# Allegro board 8880F5-0825_4.brd (continued)
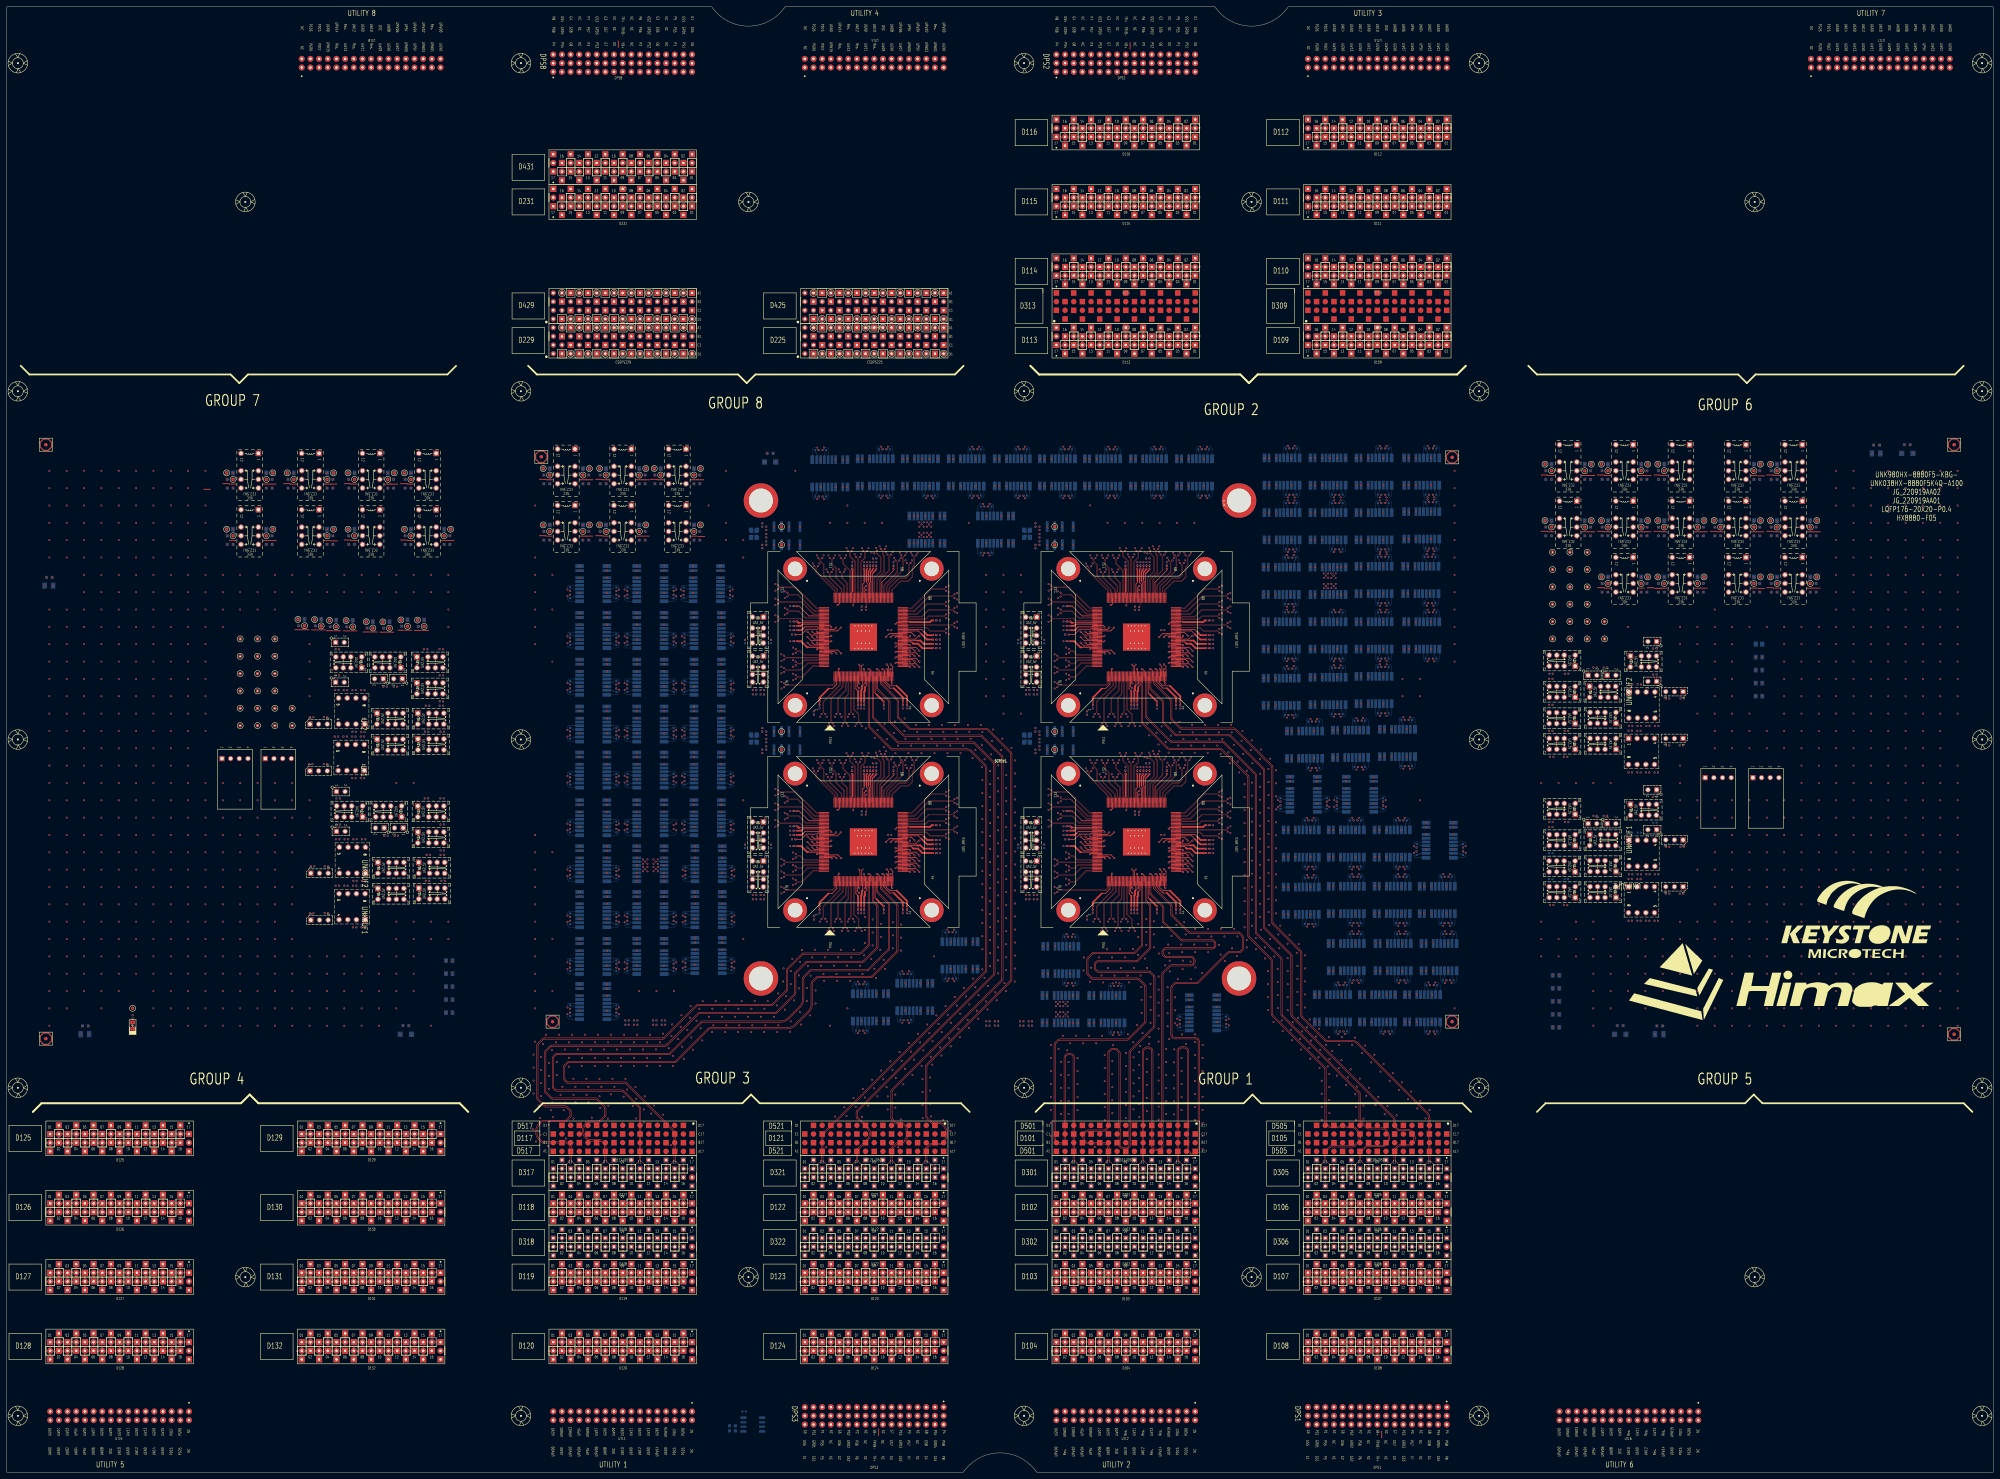
[diagram p0: board, top side]
## Placement (name value [footprint] x y rotation side) (continued)
NOREF#620  -  []  215.96 177.06 0 top
NOREF#621  -  []  253.53 140.14 0 top
NOREF#622  -  []  331.86 192.43 90 top
NOREF#623  -  []  209.49 177.76 90 top
NOREF#624  -  []  155.57 289.11 90 top
NOREF#625  -  []  388.43 180.15 0 top
NOREF#626  -  []  165.8 171.96 90 top
NOREF#627  -  []  410.52 289.12 0 top
NOREF#628  -  []  192.47 257.6 90 top
NOREF#629  -  []  185.2 273.5 90 top
NOREF#630  -  []  352.25 242.32 90 top
NOREF#631  -  []  259.33 205.56 90 top
NOREF#632  -  []  313.56 131.64 90 top
NOREF#633  -  []  511.59 276.41 90 top
NOREF#634  -  []  321.82 167.13 90 top
NOREF#635  -  []  353.35 288.31 90 top
NOREF#636  -  []  317.98 223.82 90 top
NOREF#637  -  []  201.49 147.53 90 top
NOREF#638  -  []  272.25 242.32 90 top
NOREF#639  -  []  281.47 296.86 0 top
NOREF#640  -  []  377.32 171.39 0 top
NOREF#641  -  []  388.43 180.15 0 top
NOREF#642  -  []  396.55 225.11 0 top
NOREF#643  -  []  415.61 179.97 0 top
NOREF#644  -  []  256.77 163.82 90 top
NOREF#645  -  []  351.04 241.69 0 top
NOREF#646  -  []  303.56 233.86 90 top
NOREF#647  -  []  192.47 246.08 90 top
NOREF#648  -  []  304.61 131.64 0 top
NOREF#649  -  []  118.74 210.19 90 top
NOREF#650  -  []  201.23 247.18 90 top
NOREF#651  -  []  273.24 272.1 0 top
NOREF#652  -  []  230.43 188.88 90 top
NOREF#653  -  []  175.8 256.4 90 top
NOREF#654  -  []  352.25 249.18 90 top
NOREF#655  -  []  327.15 286.96 90 top
NOREF#656  -  []  238.3 163.52 90 top
NOREF#657  -  []  465.45 292.92 90 top
NOREF#658  -  []  351.04 184.23 0 top
NOREF#659  -  []  336.77 225.04 90 top
NOREF#660  -  []  351.04 181.69 0 top
NOREF#661  -  []  271.34 242.64 0 top
NOREF#662  -  []  354.08 286.96 90 top
NOREF#663  -  []  408.02 239.21 0 top
NOREF#664  -  []  201.23 219.75 90 top
NOREF#665  -  []  251.94 265.86 90 top
NOREF#666  -  []  264.29 143.19 0 top
NOREF#667  -  []  352.55 185.18 0 top
NOREF#668  -  []  334.29 204.35 90 top
NOREF#669  -  []  319.33 183.63 90 top
NOREF#670  -  []  209.23 216.45 90 top
NOREF#671  -  []  329.6 224.74 90 top
NOREF#672  -  []  127.95 222.33 0 top
NOREF#673  -  []  346.27 135.17 90 top
NOREF#674  -  []  237.98 163.82 90 top
NOREF#675  -  []  460.93 182.17 90 top
NOREF#676  -  []  199.33 185.42 90 top
NOREF#677  -  []  237.98 225.04 90 top
NOREF#678  -  []  471.21 168.33 90 top
NOREF#679  -  []  317.05 288.86 0 top
NOREF#680  -  []  117.01 234.24 90 top
NOREF#681  -  []  201.23 241.43 0 top
NOREF#682  -  []  394 217.36 0 top
NOREF#683  -  []  118.45 226.62 90 top
NOREF#684  -  []  459.24 219.3 90 top
NOREF#685  -  []  394.05 287.22 0 top
NOREF#686  -  []  230.43 254.01 0 top
NOREF#687  -  []  373.32 164.66 90 top
NOREF#688  -  []  229.21 187.61 0 top
NOREF#689  -  []  122.44 171.1 0 top
NOREF#690  -  []  351.34 249.5 0 top
NOREF#691  -  []  250.73 265.55 0 top
NOREF#692  -  []  122.19 247.3 90 top
NOREF#693  -  []  404.15 289.12 0 top
NOREF#694  -  []  306.85 211.67 0 top
NOREF#695  -  []  328.96 224.74 0 top
NOREF#696  -  []  471.21 211.76 0 top
NOREF#697  -  []  124.35 195.15 0 top
NOREF#698  -  []  247.25 205.56 0 top
NOREF#699  -  []  201.49 159.65 90 top
NOREF#700  -  []  393.19 239.21 90 top
NOREF#701  -  []  251.62 265.56 0 top
NOREF#702  -  []  378.58 273.11 90 top
NOREF#703  -  []  343.63 163.82 90 top
NOREF#704  -  []  201.49 151.93 90 top
NOREF#705  -  []  262.68 163.52 90 top
NOREF#706  -  []  309.51 246.66 0 top
NOREF#707  -  []  209.49 155.13 90 top
NOREF#708  -  []  175.8 228.97 90 top
NOREF#709  -  []  381.74 232.85 0 top
NOREF#710  -  []  201.49 173.11 90 top
NOREF#711  -  []  226.44 294.64 90 top
NOREF#712  -  []  403.99 171.64 0 top
NOREF#713  -  []  401.52 210.88 90 top
NOREF#714  -  []  247.25 264.35 90 top
NOREF#715  -  []  448.94 290.38 90 top
NOREF#716  -  []  229.51 247.93 0 top
NOREF#717  -  []  420.62 271.47 90 top
NOREF#718  -  []  333.4 265.56 0 top
NOREF#719  -  []  167.7 255.15 0 top
NOREF#720  -  []  246.67 288.16 90 top
NOREF#721  -  []  352.55 245.18 0 top
NOREF#722  -  []  175.8 133.97 90 top
NOREF#723  -  []  165.8 144.78 0 top
NOREF#724  -  []  167.7 151.68 90 top
NOREF#725  -  []  332.61 288.86 0 top
NOREF#726  -  []  412.37 265.37 0 top
NOREF#727  -  []  182.57 171.96 0 top
NOREF#728  -  []  241.82 167.13 90 top
NOREF#729  -  []  218.13 274.06 90 top
NOREF#730  -  []  387.39 297.12 0 top
NOREF#731  -  []  167.7 138.47 90 top
NOREF#732  -  []  184.47 247.18 90 top
NOREF#733  -  []  263.83 171.63 90 top
NOREF#734  -  []  406.94 131.34 90 top
NOREF#735  -  []  182.57 226.57 90 top
NOREF#736  -  []  330.51 288.86 0 top
NOREF#737  -  []  265.81 288.86 0 top
NOREF#738  -  []  418.63 131.94 90 top
NOREF#739  -  []  309.21 247.61 0 top
NOREF#740  -  []  310.43 247.61 0 top
NOREF#741  -  []  303.15 211.32 90 top
NOREF#742  -  []  411.09 146.88 90 top
NOREF#743  -  []  388.43 146.88 0 top
NOREF#744  -  []  463.11 230.2 0 top
NOREF#745  -  []  401.89 180.15 0 top
NOREF#746  -  []  184.47 242.78 90 top
NOREF#747  -  []  250.23 132.14 0 top
NOREF#748  -  []  230.73 249.2 0 top
NOREF#749  -  []  392.47 240.56 90 top
NOREF#750  -  []  461.96 174.55 0 top
NOREF#751  -  []  250.49 164.74 90 top
NOREF#752  -  []  334.29 205.56 90 top
NOREF#753  -  []  451.68 186.77 0 top
NOREF#754  -  []  66.26 273.87 90 top
NOREF#755  -  []  392.47 256.56 90 top
NOREF#756  -  []  167.7 247.18 90 top
NOREF#757  -  []  385.19 241.11 0 top
NOREF#758  -  []  383.09 273.11 0 top
NOREF#759  -  []  272.55 241.37 0 top
NOREF#760  -  []  167.7 201.89 90 top
NOREF#761  -  []  250.73 265.56 90 top
NOREF#762  -  []  210.86 242.18 90 top
NOREF#763  -  []  272.55 185.18 0 top
NOREF#764  -  []  383.09 273.11 0 top
NOREF#765  -  []  259.65 204.65 90 top
NOREF#766  -  []  199.59 189.04 90 top
NOREF#767  -  []  330.73 264.35 90 top
NOREF#768  -  []  167.7 173.11 90 top
NOREF#769  -  []  336.45 164.72 0 top
NOREF#770  -  []  312.21 131.64 0 top
NOREF#771  -  []  111.54 287.84 90 top
NOREF#772  -  []  411.26 209.66 90 top
NOREF#773  -  []  373.93 297.12 0 top
NOREF#774  -  []  343.31 164.72 0 top
NOREF#775  -  []  184.47 147.28 90 top
NOREF#776  -  []  328.01 286.96 0 top
NOREF#777  -  []  222.11 240.71 0 top
NOREF#778  -  []  451.64 179.06 0 top
NOREF#779  -  []  256.45 224.72 0 top
NOREF#780  -  []  252.83 264.65 90 top
NOREF#781  -  []  399.67 139.89 0 top
NOREF#782  -  []  230.43 188.88 90 top
NOREF#783  -  []  390.69 257.11 0 top
NOREF#784  -  []  423.61 182.42 90 top
NOREF#785  -  []  224.65 211.67 0 top
NOREF#786  -  []  317.05 288.86 0 top
NOREF#787  -  []  199.33 212.85 0 top
NOREF#788  -  []  272.25 249.18 90 top
NOREF#789  -  []  327.25 204.35 90 top
NOREF#790  -  []  172.08 275.14 90 top
NOREF#791  -  []  219.81 273.69 90 top
NOREF#792  -  []  398.65 225.11 0 top
NOREF#793  -  []  373.68 265.11 0 top
NOREF#794  -  []  312.46 131.69 90 top
NOREF#795  -  []  248.33 187.93 0 top
NOREF#796  -  []  346.27 135.17 90 top
NOREF#797  -  []  419.47 273.37 90 top
NOREF#798  -  []  343.98 288.86 0 top
NOREF#799  -  []  260.83 174.63 90 top
NOREF#800  -  []  414.57 265.37 0 top
NOREF#801  -  []  376.98 224.6 0 top
NOREF#802  -  []  384.59 162.94 90 top
NOREF#803  -  []  274.37 147.93 90 top
NOREF#804  -  []  387.39 265.11 0 top
NOREF#805  -  []  240.83 194.63 0 top
NOREF#806  -  []  217.41 273.24 0 top
NOREF#807  -  []  270.04 280.1 0 top
NOREF#808  -  []  221.56 190.49 0 top
NOREF#809  -  []  259.65 265.86 90 top
NOREF#810  -  []  331.22 193.63 0 top
NOREF#811  -  []  417.2 171.64 0 top
NOREF#812  -  []  326.43 288.41 90 top
NOREF#813  -  []  334.29 265.56 0 top
NOREF#814  -  []  381.2 274.38 90 top
NOREF#815  -  []  229.51 249.2 0 top
NOREF#816  -  []  257.9 186.35 90 top
NOREF#817  -  []  201.66 213.45 90 top
NOREF#818  -  []  239.33 236.03 90 top
NOREF#819  -  []  373.68 249.11 0 top
NOREF#820  -  []  192.57 187.82 90 top
NOREF#821  -  []  223.56 173.86 90 top
NOREF#822  -  []  218.13 214.06 0 top
NOREF#823  -  []  252.43 132.14 0 top
NOREF#824  -  []  425.23 180.72 90 top
NOREF#825  -  []  479.44 239.09 0 top
NOREF#826  -  []  456.08 186.77 0 top
NOREF#827  -  []  317.98 165.04 90 top
NOREF#828  -  []  327.7 131.19 90 top
NOREF#829  -  []  175.7 205.19 90 top
NOREF#830  -  []  393.74 131.34 90 top
NOREF#831  -  []  175.7 141.67 90 top
NOREF#832  -  []  300.36 237.06 0 top
NOREF#833  -  []  478.57 257.36 90 top
NOREF#834  -  []  301.34 286.96 0 top
NOREF#835  -  []  127.81 175.44 90 top
NOREF#836  -  []  226.83 269.63 90 top
NOREF#837  -  []  175.7 148.38 90 top
NOREF#838  -  []  230.43 248.88 90 top
NOREF#839  -  []  352.25 244.86 90 top
NOREF#840  -  []  275.12 271.65 90 top
NOREF#841  -  []  337.9 246.99 0 top
NOREF#842  -  []  450.03 191.31 0 top
NOREF#843  -  []  379.52 171.39 0 top
NOREF#844  -  []  165.8 240.28 0 top
NOREF#845  -  []  199.59 171.96 0 top
NOREF#846  -  []  379.73 271.21 90 top
NOREF#847  -  []  461.96 217.98 0 top
NOREF#848  -  []  461.96 210.36 0 top
NOREF#849  -  []  310.41 183.09 90 top
NOREF#850  -  []  254.61 264.65 90 top
NOREF#851  -  []  100.98 195.15 0 top
NOREF#852  -  []  228.36 202.16 45 top
NOREF#853  -  []  331.06 223.82 90 top
NOREF#854  -  []  165.8 212.85 0 top
NOREF#855  -  []  167.7 206.29 90 top
NOREF#856  -  []  210.86 187.32 90 top
NOREF#857  -  []  398.53 161.74 90 top
NOREF#858  -  []  405.93 272.56 90 top
NOREF#859  -  []  460.93 191.31 90 top
NOREF#860  -  []  165.8 171.96 0 top
NOREF#861  -  []  265.39 135.19 0 top
NOREF#862  -  []  462.06 274.77 90 top
NOREF#863  -  []  472.86 166.93 90 top
NOREF#864  -  []  383.01 139.89 0 top
NOREF#865  -  []  75.98 273.87 90 top
NOREF#866  -  []  107.02 171.57 0 top
NOREF#867  -  []  259.65 264.65 90 top
NOREF#868  -  []  396.28 180.2 90 top
NOREF#869  -  []  451.68 171.53 0 top
NOREF#870  -  []  339.33 265.56 0 top
NOREF#871  -  []  259.97 264.35 90 top
NOREF#872  -  []  343.31 224.74 0 top
NOREF#873  -  []  334.61 205.86 90 top
NOREF#874  -  []  401.89 163.64 0 top
NOREF#875  -  []  417.87 257.37 0 top
NOREF#876  -  []  283.25 147.43 90 top
NOREF#877  -  []  250.74 164.74 0 top
NOREF#878  -  []  303.84 288.86 0 top
NOREF#879  -  []  247.25 265.55 0 top
NOREF#880  -  []  192.47 230.17 90 top
NOREF#881  -  []  314.92 144.15 90 top
NOREF#882  -  []  262.09 143.19 0 top
NOREF#883  -  []  299.81 213.69 90 top
NOREF#884  -  []  218.16 237.06 0 top
NOREF#885  -  []  313.98 131.09 90 top
NOREF#886  -  []  310.43 188.88 0 top
NOREF#887  -  []  352.24 189.18 90 top
NOREF#888  -  []  448.94 292.92 90 top
NOREF#889  -  []  410.52 289.12 0 top
NOREF#890  -  []  450.03 234.74 0 top
NOREF#891  -  []  250.73 205.56 0 top
NOREF#892  -  []  309.21 188.88 0 top
NOREF#893  -  []  398.65 289.12 0 top
NOREF#894  -  []  182.57 185.42 90 top
NOREF#895  -  []  251.62 205.55 0 top
NOREF#896  -  []  175.7 135.17 90 top
NOREF#897  -  []  339.46 288.86 90 top
NOREF#898  -  []  249.15 296.86 0 top
NOREF#899  -  []  397.57 131.89 0 top
NOREF#900  -  []  172.08 289.11 90 top
NOREF#901  -  []  217.71 216.09 0 top
NOREF#902  -  []  399.07 208.81 90 top
NOREF#903  -  []  201.49 146.18 90 top
NOREF#904  -  []  459.28 236.14 0 top
NOREF#905  -  []  352.55 241.37 0 top
NOREF#906  -  []  327.25 265.55 0 top
NOREF#907  -  []  313.94 286.96 90 top
NOREF#908  -  []  192.57 174.36 90 top
NOREF#909  -  []  401.89 180.15 0 top
NOREF#910  -  []  120.21 178.64 0 top
NOREF#911  -  []  406.44 154.88 0 top
NOREF#912  -  []  298.24 288.86 0 top
NOREF#913  -  []  271.34 249.5 0 top
NOREF#914  -  []  463.61 171.53 0 top
NOREF#915  -  []  184.89 199.99 90 top
NOREF#916  -  []  226.85 271.67 0 top
NOREF#917  -  []  303.15 271.32 90 top
NOREF#918  -  []  342.36 223.82 90 top
NOREF#919  -  []  461.96 174.55 0 top
NOREF#920  -  []  330.17 163.82 90 top
NOREF#921  -  []  383.09 257.11 0 top
NOREF#922  -  []  119.95 187.53 0 top
NOREF#923  -  []  478.57 291.28 90 top
NOREF#924  -  []  108.01 195.15 0 top
NOREF#925  -  []  388.43 163.64 0 top
NOREF#926  -  []  338.11 288.86 0 top
NOREF#927  -  []  412.24 144.98 90 top
NOREF#928  -  []  259.59 145.09 0 top
NOREF#929  -  []  182.57 212.85 90 top
NOREF#930  -  []  415.6 146.88 0 top
NOREF#931  -  []  262.36 296.86 0 top
NOREF#932  -  []  385.19 281.11 0 top
NOREF#933  -  []  239.4 296.61 0 top
NOREF#934  -  []  471.11 230.2 0 top
NOREF#935  -  []  398.53 144.98 90 top
NOREF#936  -  []  306.71 131.64 0 top
NOREF#937  -  []  175.7 216.45 90 top
NOREF#938  -  []  238.3 224.74 90 top
NOREF#939  -  []  449.99 217.9 0 top
NOREF#940  -  []  166.06 203.01 90 top
NOREF#941  -  []  259.33 265.55 0 top
NOREF#942  -  []  75.98 271.33 90 top
NOREF#943  -  []  394.05 255.47 0 top
NOREF#944  -  []  414.25 154.88 0 top
NOREF#945  -  []  247.89 204.35 90 top
NOREF#946  -  []  333.4 204.35 90 top
NOREF#947  -  []  483.04 239.09 0 top
NOREF#948  -  []  209.49 150.83 90 top
NOREF#949  -  []  413.75 171.64 0 top
NOREF#950  -  []  379.01 272.66 90 top
NOREF#951  -  []  247.78 132.14 90 top
NOREF#952  -  []  209.49 175.56 90 top
NOREF#953  -  []  322.23 173.13 0 top
NOREF#954  -  []  294.94 296.86 0 top
NOREF#955  -  []  403.99 188.15 0 top
NOREF#956  -  []  165.8 158.5 90 top
NOREF#957  -  []  413.51 207.71 90 top
NOREF#958  -  []  277.17 288.86 0 top
NOREF#959  -  []  201.23 217.55 90 top
NOREF#960  -  []  309.21 187.61 0 top
NOREF#961  -  []  420.88 129.99 90 top
NOREF#962  -  []  330.51 288.86 0 top
NOREF#963  -  []  528.1 259.9 90 top
NOREF#964  -  []  463.61 214.96 0 top
NOREF#965  -  []  118.99 171.65 0 top
NOREF#966  -  []  119.76 127 90 top
NOREF#967  -  []  390.53 154.88 0 top
NOREF#968  -  []  319.15 288.86 0 top
NOREF#969  -  []  310.43 246.34 90 top
NOREF#970  -  []  94.68 234.24 0 top
NOREF#971  -  []  167.7 255.15 90 top
NOREF#972  -  []  304.82 146.05 0 top
NOREF#973  -  []  184.47 231.27 90 top
NOREF#974  -  []  272.24 181.05 90 top
NOREF#975  -  []  272.24 189.18 90 top
NOREF#976  -  []  382.82 163.39 0 top
NOREF#977  -  []  225.83 204.31 0 top
NOREF#978  -  []  271.04 182.96 0 top
NOREF#979  -  []  106.11 234.24 0 top
NOREF#980  -  []  461.96 210.36 0 top
NOREF#981  -  []  230.73 253.69 0 top
NOREF#982  -  []  471.21 175.95 90 top
NOREF#983  -  []  317.05 288.86 0 top
NOREF#984  -  []  271.04 249.82 0 top
NOREF#985  -  []  279.7 155.38 0 top
NOREF#986  -  []  172.08 291.65 90 top
NOREF#987  -  []  333.33 181.33 90 top
NOREF#988  -  []  230.43 186.34 0 top
NOREF#989  -  []  208.98 264.1 90 top
NOREF#990  -  []  310.41 243.09 90 top
NOREF#991  -  []  184.47 151.68 90 top
NOREF#992  -  []  286.81 272.1 0 top
NOREF#993  -  []  184.47 174.46 90 top
NOREF#994  -  []  184.47 201.89 90 top
NOREF#995  -  []  297.83 174.63 90 top
NOREF#996  -  []  184.47 161 90 top
NOREF#997  -  []  303.56 173.86 90 top
NOREF#998  -  []  292.74 288.86 0 top
NOREF#999  -  []  167.7 145.93 0 top
NOREF#1000  -  []  290.11 280.1 0 top
NOREF#1001  -  []  309.51 247.93 0 top
NOREF#1002  -  []  177.33 160.4 90 top
NOREF#1003  -  []  263.63 225.04 90 top
NOREF#1004  -  []  184.89 159.1 90 top
NOREF#1005  -  []  201.23 244.98 90 top
NOREF#1006  -  []  209.23 202.99 90 top
NOREF#1007  -  []  471.21 211.76 90 top
NOREF#1008  -  []  313.22 288.41 90 top
NOREF#1009  -  []  367.73 274.38 90 top
NOREF#1010  -  []  326.17 131.69 90 top
NOREF#1011  -  []  390.69 273.11 0 top
NOREF#1012  -  []  229.21 246.34 0 top
NOREF#1013  -  []  343.98 288.86 0 top
NOREF#1014  -  []  403.41 209.61 0 top
NOREF#1015  -  []  119.7 231.22 0 top
NOREF#1016  -  []  306.71 139.64 0 top
NOREF#1017  -  []  184.47 241.43 90 top
NOREF#1018  -  []  330.73 205.55 0 top
NOREF#1019  -  []  310.43 186.34 0 top
NOREF#1020  -  []  501.87 273.87 90 top
NOREF#1021  -  []  351.34 189.5 0 top
NOREF#1022  -  []  184.47 217.55 90 top
NOREF#1023  -  []  306.27 156.63 90 top
NOREF#1024  -  []  239.33 183.63 90 top
NOREF#1025  -  []  371.48 249.11 0 top
NOREF#1026  -  []  382.82 180.15 0 top
NOREF#1027  -  []  128.24 171.1 0 top
NOREF#1028  -  []  310.43 193.37 90 top
NOREF#1029  -  []  331.38 224.74 90 top
NOREF#1030  -  []  375.22 163.39 0 top
NOREF#1031  -  []  272.25 241.05 90 top
NOREF#1032  -  []  392.73 154.88 0 top
NOREF#1033  -  []  317.98 225.04 90 top
NOREF#1034  -  []  272.25 189.18 90 top
NOREF#1035  -  []  184.47 190.12 90 top
NOREF#1036  -  []  352.25 181.69 0 top
NOREF#1037  -  []  165.8 240.28 90 top
NOREF#1038  -  []  167.7 227.72 0 top
NOREF#1039  -  []  473.7 219.66 90 top
NOREF#1040  -  []  240.94 151.63 90 top
NOREF#1041  -  []  175.8 242.68 90 top
NOREF#1042  -  []  127.59 211.59 90 top
NOREF#1043  -  []  110.21 195.15 0 top
NOREF#1044  -  []  465.31 186.77 0 top
NOREF#1045  -  []  246.63 130.24 90 top
NOREF#1046  -  []  185.2 292.55 90 top
NOREF#1047  -  []  418.12 273.37 0 top
NOREF#1048  -  []  192.47 162.1 90 top
NOREF#1049  -  []  272.55 183.91 0 top
NOREF#1050  -  []  299.81 273.69 90 top
NOREF#1051  -  []  396.28 146.93 90 top
NOREF#1052  -  []  192.47 218.65 90 top
NOREF#1053  -  []  289.01 272.1 0 top
NOREF#1054  -  []  392.47 272.56 90 top
NOREF#1055  -  []  251.94 204.65 90 top
NOREF#1056  -  []  397.57 131.89 0 top
NOREF#1057  -  []  331.22 253.63 0 top
NOREF#1058  -  []  221.56 179.06 0 top
NOREF#1059  -  []  260.74 143.19 0 top
NOREF#1060  -  []  327.27 131.64 90 top
NOREF#1061  -  []  453.84 179.06 0 top
NOREF#1062  -  []  284.36 272.1 90 top
NOREF#1063  -  []  115.61 211.51 90 top
NOREF#1064  -  []  410.52 241.11 0 top
NOREF#1065  -  []  329.6 163.52 90 top
NOREF#1066  -  []  192.47 148.38 90 top
NOREF#1067  -  []  272.25 189.82 0 top
NOREF#1068  -  []  118.33 271.33 90 top
NOREF#1069  -  []  415.1 163.64 0 top
NOREF#1070  -  []  296.81 275.94 0 top
NOREF#1071  -  []  383.07 163.44 90 top
NOREF#1072  -  []  252.51 205.56 0 top
NOREF#1073  -  []  318.3 224.74 90 top
NOREF#1074  -  []  405.93 240.66 90 top
NOREF#1075  -  []  192.47 209.49 90 top
NOREF#1076  -  []  380.53 217.11 0 top
NOREF#1077  -  []  336.45 224.74 0 top
NOREF#1078  -  []  96.33 238.84 0 top
NOREF#1079  -  []  216.96 180.71 0 top
NOREF#1080  -  []  259.88 288.41 90 top
NOREF#1081  -  []  155.57 275.14 90 top
NOREF#1082  -  []  295.96 188.49 0 top
NOREF#1083  -  []  184.47 214 90 top
NOREF#1084  -  []  393.19 287.22 90 top
NOREF#1085  -  []  303.56 245.29 90 top
NOREF#1086  -  []  392.47 256.66 90 top
NOREF#1087  -  []  242.23 233.13 90 top
NOREF#1088  -  []  184.47 219.75 90 top
NOREF#1089  -  []  253.4 264.35 90 top
NOREF#1090  -  []  230.43 243.09 90 top
NOREF#1091  -  []  184.89 227.17 90 top
NOREF#1092  -  []  343.31 224.72 0 top
NOREF#1093  -  []  253.72 204.65 90 top
NOREF#1094  -  []  406.65 287.22 90 top
NOREF#1095  -  []  378.58 289.12 90 top
NOREF#1096  -  []  167.7 159.65 90 top
NOREF#1097  -  []  337.9 246.35 90 top
NOREF#1098  -  []  346.27 129.42 0 top
NOREF#1099  -  []  395.2 297.12 0 top
NOREF#1100  -  []  327.57 264.65 90 top
NOREF#1101  -  []  394.05 239.21 0 top
NOREF#1102  -  []  372.72 161.49 0 top
NOREF#1103  -  []  385.19 273.11 0 top
NOREF#1104  -  []  415.61 183.52 90 top
NOREF#1105  -  []  223.15 211.32 90 top
NOREF#1106  -  []  379.48 222.7 90 top
NOREF#1107  -  []  301.56 239.06 0 top
NOREF#1108  -  []  209.23 250.38 90 top
NOREF#1109  -  []  462.06 293.82 90 top
NOREF#1110  -  []  411.26 163.19 90 top
NOREF#1111  -  []  413.96 182.44 90 top
NOREF#1112  -  []  460.89 217.9 90 top
NOREF#1113  -  []  201.23 186.57 0 top
NOREF#1114  -  []  300.01 288.31 90 top
NOREF#1115  -  []  384.36 131.89 0 top
NOREF#1116  -  []  266.49 143.19 0 top
NOREF#1117  -  []  518.38 276.41 90 top
NOREF#1118  -  []  415.6 146.88 0 top
NOREF#1119  -  []  221.56 250.49 0 top
NOREF#1120  -  []  301.56 182.89 0 top
NOREF#1121  -  []  115.61 191.95 90 top
NOREF#1122  -  []  253.33 241.33 90 top
NOREF#1123  -  []  373.83 192.28 90 top
NOREF#1124  -  []  401.87 139.89 0 top
NOREF#1125  -  []  66.26 271.33 90 top
NOREF#1126  -  []  373.87 188.15 0 top
NOREF#1127  -  []  182.57 240.28 0 top
NOREF#1128  -  []  317.66 164.72 0 top
NOREF#1129  -  []  327.57 264.65 90 top
NOREF#1130  -  []  184.47 241.43 0 top
NOREF#1131  -  []  470.79 128.27 0 top
NOREF#1132  -  []  419.9 288.67 90 top
NOREF#1133  -  []  331.62 265.56 0 top
NOREF#1134  -  []  405.42 131.94 90 top
NOREF#1135  -  []  339.97 204.35 90 top
NOREF#1136  -  []  413.1 144.98 0 top
NOREF#1137  -  []  260.29 136.46 90 top
NOREF#1138  -  []  405.51 217.61 0 top
NOREF#1139  -  []  394.05 271.21 0 top
NOREF#1140  -  []  254.29 205.56 90 top
NOREF#1141  -  []  417.7 146.88 0 top
NOREF#1142  -  []  346.08 288.86 0 top
NOREF#1143  -  []  417.2 163.64 0 top
NOREF#1144  -  []  396.03 146.88 0 top
NOREF#1145  -  []  185.2 290.01 90 top
NOREF#1146  -  []  302.11 252.14 0 top
NOREF#1147  -  []  175.7 175.56 90 top
NOREF#1148  -  []  310.83 164.63 0 top
NOREF#1149  -  []  239.33 176.03 0 top
NOREF#1150  -  []  408.02 271.47 0 top
NOREF#1151  -  []  253.72 265.86 90 top
NOREF#1152  -  []  182.57 254 0 top
NOREF#1153  -  []  308.91 139.64 0 top
NOREF#1154  -  []  369.63 289.12 0 top
NOREF#1155  -  []  333.72 204.65 90 top
NOREF#1156  -  []  167.7 214 0 top
NOREF#1157  -  []  276.4 147.38 0 top
NOREF#1158  -  []  324.9 288.91 90 top
NOREF#1159  -  []  201.23 231.27 90 top
NOREF#1160  -  []  192.47 243.88 90 top
NOREF#1161  -  []  352.25 243.59 90 top
NOREF#1162  -  []  408.88 133.16 90 top
NOREF#1163  -  []  272.55 181.37 0 top
NOREF#1164  -  []  329.28 163.82 90 top
NOREF#1165  -  []  108.27 171.02 0 top
NOREF#1166  -  []  306.92 154.05 0 top
NOREF#1167  -  []  263.63 163.82 90 top
NOREF#1168  -  []  367.73 290.39 90 top
NOREF#1169  -  []  388.43 163.64 0 top
NOREF#1170  -  []  192.47 150.58 90 top
NOREF#1171  -  []  333.72 264.65 90 top
NOREF#1172  -  []  386.53 148.15 90 top
NOREF#1173  -  []  265.81 296.86 0 top
NOREF#1174  -  []  395.07 129.99 0 top
NOREF#1175  -  []  322.62 139.64 0 top
NOREF#1176  -  []  482.64 192.46 90 top
NOREF#1177  -  []  406.65 271.21 90 top
NOREF#1178  -  []  369.63 289.12 0 top
NOREF#1179  -  []  415.08 139.89 0 top
NOREF#1180  -  []  201.49 165.4 90 top
NOREF#1181  -  []  118.7 217.73 90 top
NOREF#1182  -  []  118.74 215.34 0 top
NOREF#1183  -  []  167.7 163.2 90 top
NOREF#1184  -  []  320.42 131.64 0 top
NOREF#1185  -  []  301.56 231.46 0 top
NOREF#1186  -  []  317.66 224.74 0 top
NOREF#1187  -  []  261.63 233.83 90 top
NOREF#1188  -  []  309.51 186.66 0 top
NOREF#1189  -  []  475.04 195.66 0 top
NOREF#1190  -  []  184.47 256.5 90 top
NOREF#1191  -  []  184.47 159.65 0 top
NOREF#1192  -  []  93.02 247.21 90 top
NOREF#1193  -  []  184.47 165.4 90 top
NOREF#1194  -  []  304.61 131.64 0 top
NOREF#1195  -  []  263.14 270.2 90 top
NOREF#1196  -  []  271.04 242.96 0 top
NOREF#1197  -  []  325.92 131.64 0 top
NOREF#1198  -  []  319.33 176.03 90 top
NOREF#1199  -  []  258.2 186.67 0 top
NOREF#1200  -  []  384.59 162.84 90 top
NOREF#1201  -  []  182.57 171.96 90 top
NOREF#1202  -  []  83.77 247.51 90 top
NOREF#1203  -  []  165.8 131.57 0 top
NOREF#1204  -  []  375.73 193.43 90 top
NOREF#1205  -  []  106.36 190.55 0 top
NOREF#1206  -  []  395.2 249.11 0 top
NOREF#1207  -  []  393.74 131.44 90 top
NOREF#1208  -  []  230.73 186.66 0 top
NOREF#1209  -  []  260.83 234.63 90 top
NOREF#1210  -  []  230.43 193.37 0 top
NOREF#1211  -  []  408.63 290.39 90 top
NOREF#1212  -  []  383.09 257.11 0 top
NOREF#1213  -  []  336.77 165.04 90 top
NOREF#1214  -  []  249.85 224.72 0 top
NOREF#1215  -  []  377.23 224.65 90 top
NOREF#1216  -  []  423.45 146.93 90 top
NOREF#1217  -  []  210.86 214.75 90 top
NOREF#1218  -  []  272.25 244.86 90 top
NOREF#1219  -  []  352.25 249.82 0 top
NOREF#1220  -  []  167.7 132.72 90 top
NOREF#1221  -  []  261.16 135.74 90 top
NOREF#1222  -  []  263.71 288.86 0 top
NOREF#1223  -  []  166.06 148.4 90 top
NOREF#1224  -  []  155.57 291.65 90 top
NOREF#1225  -  []  468.68 129.54 0 top
NOREF#1226  -  []  343.2 172.26 90 top
NOREF#1227  -  []  419.9 288.57 90 top
NOREF#1228  -  []  293.66 272.15 90 top
NOREF#1229  -  []  412.79 209.06 90 top
NOREF#1230  -  []  383.09 289.12 0 top
NOREF#1231  -  []  272.25 244.23 0 top
NOREF#1232  -  []  201.66 240.88 90 top
NOREF#1233  -  []  219.81 213.69 90 top
NOREF#1234  -  []  182.57 212.85 0 top
NOREF#1235  -  []  369.38 224.6 0 top
NOREF#1236  -  []  518.38 259.9 90 top
NOREF#1237  -  []  272.66 288.86 90 top
NOREF#1238  -  []  256.45 164.74 0 top
NOREF#1239  -  []  310.43 246.34 0 top
NOREF#1240  -  []  252.51 264.35 90 top
NOREF#1241  -  []  314.55 286.96 0 top
NOREF#1242  -  []  331.54 252.73 90 top
NOREF#1243  -  []  351.34 243.91 0 top
NOREF#1244  -  []  167.7 145.93 90 top
NOREF#1245  -  []  390.34 192.28 0 top
NOREF#1246  -  []  240.94 211.63 90 top
NOREF#1247  -  []  263.2 172.26 90 top
NOREF#1248  -  []  459.28 168.33 0 top
NOREF#1249  -  []  201.21 276.04 90 top
NOREF#1250  -  []  352.25 181.05 90 top
NOREF#1251  -  []  331.06 225.04 90 top
NOREF#1252  -  []  192.57 215.25 90 top
NOREF#1253  -  []  383.09 224.85 0 top
NOREF#1254  -  []  221.56 242.89 0 top
NOREF#1255  -  []  119.95 195.15 0 top
NOREF#1256  -  []  230.73 249.2 0 top
NOREF#1257  -  []  385.19 249.11 0 top
NOREF#1258  -  []  268.01 296.86 0 top
NOREF#1259  -  []  327.25 205.56 0 top
NOREF#1260  -  []  215.96 188.49 0 top
NOREF#1261  -  []  230.41 246.34 90 top
NOREF#1262  -  []  246.23 233.13 0 top